# Altium PCB Backplane_Board.PcbDoc
Units mm, origin at the board's own origin, x right, y up, seen from the top; angles counter-clockwise.
Board outline 160 x 360 mm, 2 copper layers (Top Layer, Bottom Layer); 46 components, 98 nets, 572 pads, 224 vias.
Unrouted connection lines stored in the file: 261.
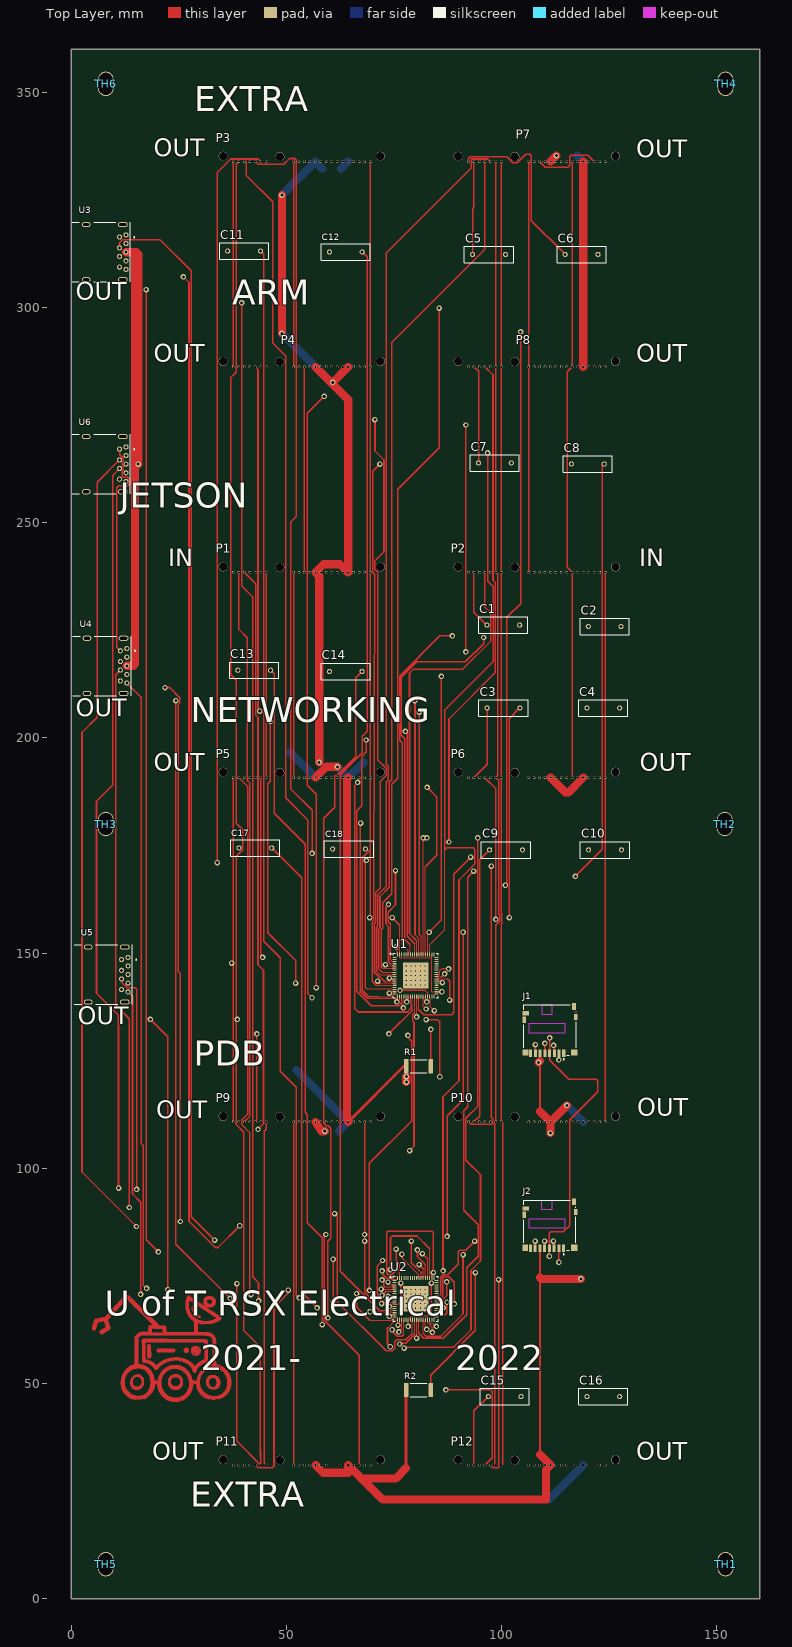
[diagram p0: Top Layer view]
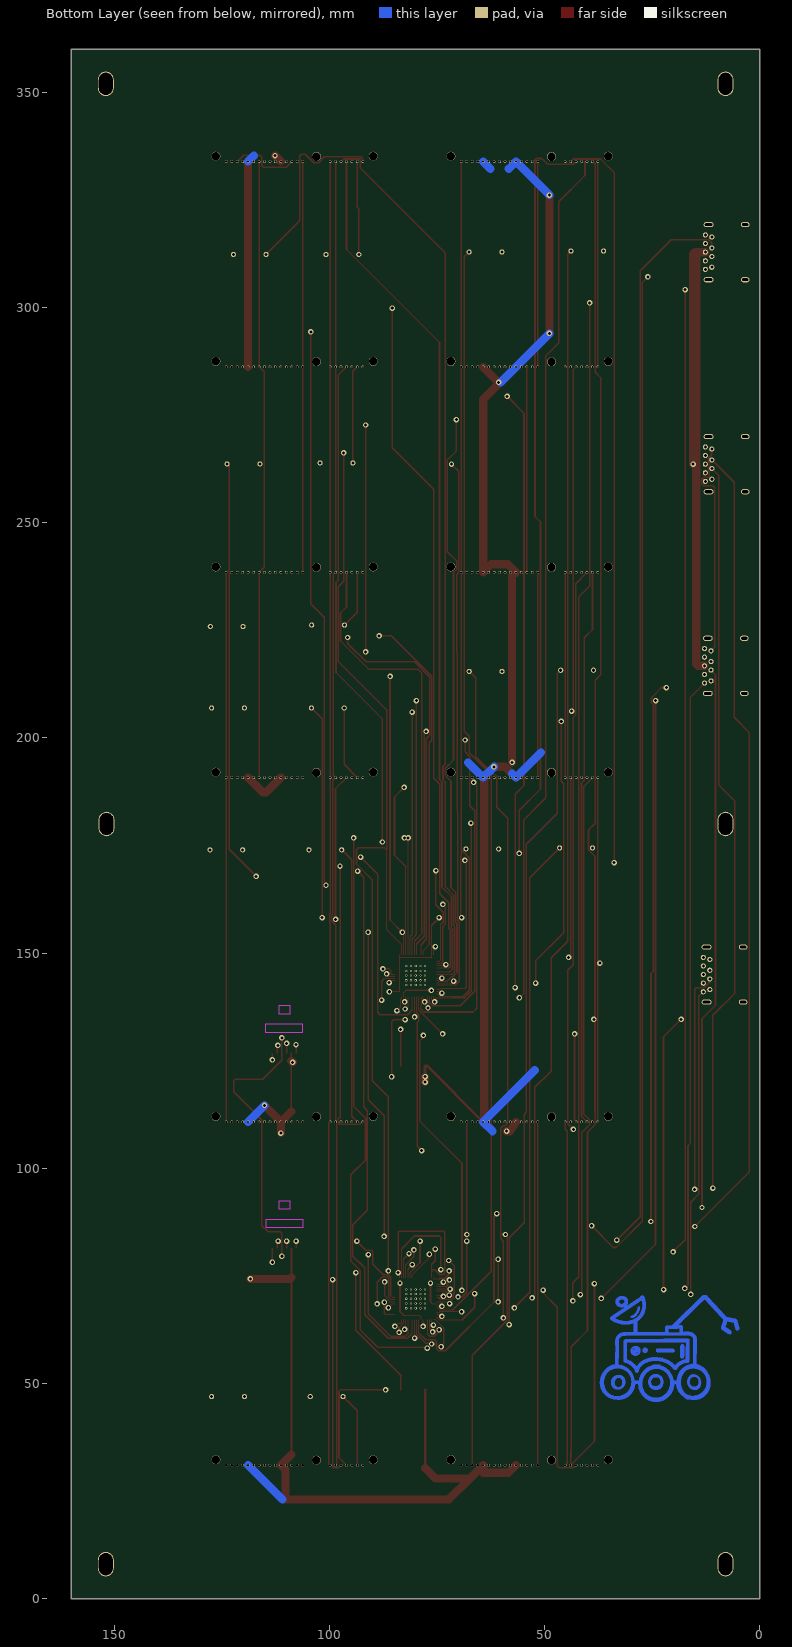
[diagram p1: Bottom Layer view, seen from below]
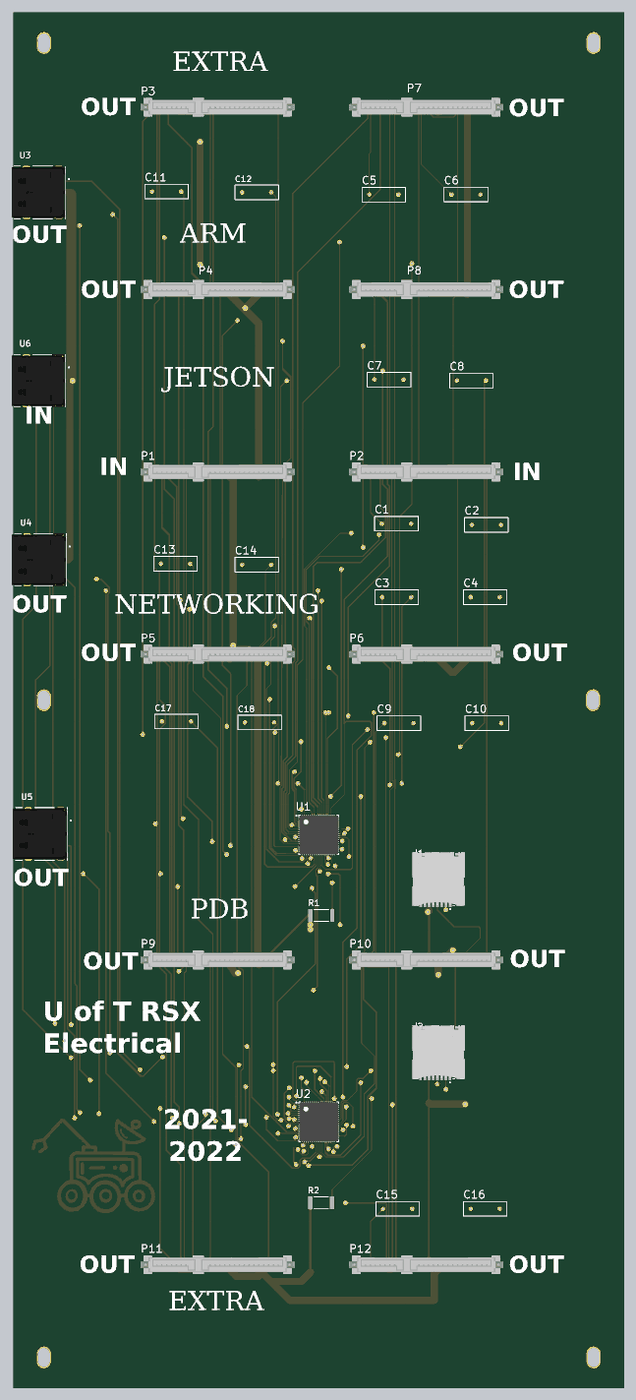
[diagram p2: 3D render of the assembled board from above, using the file's embedded part models]

## Layer stack, top to bottom
Top Solder: solder mask 0.0102, Solder Resist, Dk 3.5
Top Layer: signal copper 0.0356
Dielectric 1: dielectric 0.32, FR-4, Dk 4.8
Bottom Layer: signal copper 0.0356
Bottom Solder: solder mask 0.0102, Solder Resist, Dk 3.5

## Board outline
0,0 160,0 160,360 0,360

## Design rules (kind name [scope] priority, off if disabled: settings)
Clearance [All] p1: gap=0.12 ignorepadtopadclearanceinfootprint=FALSE
DiffPairsRouting [All] p1: maxlimit=0.254 minlimit=0.254 mostfreqgap=0.254 toplayer_minwidth=0.381 toplayer_maxwidth=0.381 toplayer_prefwidth=0.381 bottomlayer_minwidth=0.381 bottomlayer_maxwidth=0.381 bottomlayer_prefwidth=0.381 maxuncoupledlength=12.7
PolygonConnect [All] p1: connectstyle=Relief reliefconductorwidth=0.254 reliefentries=4 polygonreliefangle="90 Angle" airgapwidth=0.254
RoutingVias [All] p1: holewidth=0.711 width=1.27 viastyle="Through Hole" minholewidth=0.711 minwidth=1.27 maxholewidth=0.711 maxwidth=1.27
SMDNeckDown [All] p1: percent=60.000
SignalStimulus "Schematic Signal Stimulus_55" [InNet('MASTER_DN10_P')] p1: kind=1 level=1 starttime=0.000 stoptime=200.0p periodtime=400.0p
SignalStimulus "Schematic Signal Stimulus_54" [InNet('MASTER_SSTX_DN7_P')] p2: kind=1 level=1 starttime=0.000 stoptime=200.0p periodtime=400.0p
SignalStimulus "Schematic Signal Stimulus_53" [InNet('MASTER_SSTX_DN7_N')] p3: kind=1 level=1 starttime=0.000 stoptime=200.0p periodtime=400.0p
SignalStimulus "Schematic Signal Stimulus_52" [InNet('MASTER_DN11_P')] p4: kind=1 level=1 starttime=0.000 stoptime=200.0p periodtime=400.0p
SignalStimulus "Schematic Signal Stimulus_7" [InNet('MASTER_DN10_N')] p5: kind=1 level=1 starttime=0.000 stoptime=200.0p periodtime=400.0p
SignalStimulus "Schematic Signal Stimulus_5" [InNet('MASTER_DN11_N')] p6: kind=1 level=1 starttime=0.000 stoptime=200.0p periodtime=400.0p
SignalStimulus "Schematic Signal Stimulus_51" [InNet('MASTER_SSRX_DN3_P')] p7: kind=1 level=1 starttime=0.000 stoptime=200.0p periodtime=400.0p
SignalStimulus "Schematic Signal Stimulus_50" [InNet('MASTER_SSRX_DN4_P')] p8: kind=1 level=1 starttime=0.000 stoptime=200.0p periodtime=400.0p
SignalStimulus "Schematic Signal Stimulus_49" [InNet('MASTER_DN7_N')] p9: kind=1 level=1 starttime=0.000 stoptime=200.0p periodtime=400.0p
SignalStimulus "Schematic Signal Stimulus_48" [InNet('MASTER_DN9_N')] p10: kind=1 level=1 starttime=0.000 stoptime=200.0p periodtime=400.0p
SignalStimulus "Schematic Signal Stimulus_46" [InNet('MASTER_SSRX_DN2_N')] p11: kind=1 level=1 starttime=0.000 stoptime=200.0p periodtime=400.0p
SignalStimulus "Schematic Signal Stimulus_45" [InNet('MASTER_DN5_N')] p12: kind=1 level=1 starttime=0.000 stoptime=200.0p periodtime=400.0p
SignalStimulus "Schematic Signal Stimulus_44" [InNet('MASTER_DN2_N')] p13: kind=1 level=1 starttime=0.000 stoptime=200.0p periodtime=400.0p
SignalStimulus "Schematic Signal Stimulus_43" [InNet('MASTER_SSRX_DN1_P')] p14: kind=1 level=1 starttime=0.000 stoptime=200.0p periodtime=400.0p
SignalStimulus "Schematic Signal Stimulus_42" [InNet('MASTER_SSRX_DN5_P')] p15: kind=1 level=1 starttime=0.000 stoptime=200.0p periodtime=400.0p
SignalStimulus "Schematic Signal Stimulus_41" [InNet('MASTER_DN7_P')] p16: kind=1 level=1 starttime=0.000 stoptime=200.0p periodtime=400.0p
SignalStimulus "Schematic Signal Stimulus_40" [InNet('MASTER_SSRX_DN5_N')] p17: kind=1 level=1 starttime=0.000 stoptime=200.0p periodtime=400.0p
SignalStimulus "Schematic Signal Stimulus_39" [InNet('MASTER_DN4_N')] p18: kind=1 level=1 starttime=0.000 stoptime=200.0p periodtime=400.0p
SignalStimulus "Schematic Signal Stimulus_38" [InNet('MASTER_DN1_N')] p19: kind=1 level=1 starttime=0.000 stoptime=200.0p periodtime=400.0p
SignalStimulus "Schematic Signal Stimulus_37" [InNet('MASTER_DN3_P')] p20: kind=1 level=1 starttime=0.000 stoptime=200.0p periodtime=400.0p
SignalStimulus "Schematic Signal Stimulus_36" [InNet('MASTER_SSRX_DN3_N')] p21: kind=1 level=1 starttime=0.000 stoptime=200.0p periodtime=400.0p
SignalStimulus "Schematic Signal Stimulus_33" [InNet('MASTER_D1_P')] p22: kind=1 level=1 starttime=0.000 stoptime=200.0p periodtime=400.0p
SignalStimulus "Schematic Signal Stimulus_31" [InNet('MASTER_DN9_P')] p23: kind=1 level=1 starttime=0.000 stoptime=200.0p periodtime=400.0p
SignalStimulus "Schematic Signal Stimulus_30" [InNet('MASTER_SSRX_DN7_N')] p24: kind=1 level=1 starttime=0.000 stoptime=200.0p periodtime=400.0p
SignalStimulus "Schematic Signal Stimulus_28" [InNet('MASTER_SSRX_DN1_N')] p25: kind=1 level=1 starttime=0.000 stoptime=200.0p periodtime=400.0p
SignalStimulus "Schematic Signal Stimulus_27" [InNet('MASTER_DN4_P')] p26: kind=1 level=1 starttime=0.000 stoptime=200.0p periodtime=400.0p
SignalStimulus "Schematic Signal Stimulus_25" [InNet('MASTER_DN5_P')] p27: kind=1 level=1 starttime=0.000 stoptime=200.0p periodtime=400.0p
SignalStimulus "Schematic Signal Stimulus_24" [InNet('MASTER_SSRX_DN6_N')] p28: kind=1 level=1 starttime=0.000 stoptime=200.0p periodtime=400.0p
SignalStimulus "Schematic Signal Stimulus_23" [InNet('MASTER_D1_N')] p29: kind=1 level=1 starttime=0.000 stoptime=200.0p periodtime=400.0p
SignalStimulus "Schematic Signal Stimulus_22" [InNet('MASTER_DN2_P')] p30: kind=1 level=1 starttime=0.000 stoptime=200.0p periodtime=400.0p
SignalStimulus "Schematic Signal Stimulus_21" [InNet('MASTER_DN1_P')] p31: kind=1 level=1 starttime=0.000 stoptime=200.0p periodtime=400.0p
SignalStimulus "Schematic Signal Stimulus_20" [InNet('MASTER_DN6_N')] p32: kind=1 level=1 starttime=0.000 stoptime=200.0p periodtime=400.0p
SignalStimulus "Schematic Signal Stimulus_18" [InNet('MASTER_SSRX_DN4_N')] p33: kind=1 level=1 starttime=0.000 stoptime=200.0p periodtime=400.0p
SignalStimulus "Schematic Signal Stimulus_17" [InNet('MASTER_DN3_N')] p34: kind=1 level=1 starttime=0.000 stoptime=200.0p periodtime=400.0p
SignalStimulus "Schematic Signal Stimulus_16" [InNet('MASTER_SSRX_DN7_P')] p35: kind=1 level=1 starttime=0.000 stoptime=200.0p periodtime=400.0p
SignalStimulus "Schematic Signal Stimulus_15" [InNet('MASTER_SSRX_DN2_P')] p36: kind=1 level=1 starttime=0.000 stoptime=200.0p periodtime=400.0p
SignalStimulus "Schematic Signal Stimulus_13" [InNet('MASTER_SSRX_DN6_P')] p37: kind=1 level=1 starttime=0.000 stoptime=200.0p periodtime=400.0p
SignalStimulus "Schematic Signal Stimulus_12" [InNet('MASTER_DN6_P')] p38: kind=1 level=1 starttime=0.000 stoptime=200.0p periodtime=400.0p
SignalStimulus "Schematic Signal Stimulus_10" [InNet('MASTER_D3_N')] p39: kind=1 level=1 starttime=0.000 stoptime=2.083n periodtime=4.167n
SignalStimulus "Schematic Signal Stimulus_9" [InNet('MASTER_D3_P')] p40: kind=1 level=1 starttime=0.000 stoptime=2.083n periodtime=4.167n
SignalStimulus "Schematic Signal Stimulus_6" [InNet('MASTER_SSRX_N')] p41: kind=1 level=1 starttime=0.000 stoptime=200.0p periodtime=400.0p
SignalStimulus "Schematic Signal Stimulus_4" [InNet('MASTER_SSRX_P')] p42: kind=1 level=1 starttime=0.000 stoptime=200.0p periodtime=400.0p
SignalStimulus "Schematic Signal Stimulus_3" [InNet('MASTER_D0_N')] p43: kind=1 level=1 starttime=0.000 stoptime=2.083n periodtime=4.167n
SignalStimulus "Schematic Signal Stimulus_2" [InNet('MASTER_D1_P')] p44: kind=1 level=1 starttime=0.000 stoptime=2.083n periodtime=4.167n
SignalStimulus "Schematic Signal Stimulus_1" [InNet('MASTER_D0_P')] p45: kind=1 level=1 starttime=0.000 stoptime=2.083n periodtime=4.167n
SignalStimulus "Schematic Signal Stimulus" [InNet('MASTER_D1_N')] p46: kind=1 level=1 starttime=0.000 stoptime=2.083n periodtime=4.167n
SolderMaskExpansion [All] p1: expansion=0.102 istentingtop=FALSE
Width "Schematic Width Constraint" [InNet('GND')] p1: maxlimit=25.4 minlimit=1.27 preferedwidth=1.905 minimp=50.000000 maximp=50.000000 favimp=50.000000
Width [All] p2: maxlimit=0.3 minlimit=0.15 preferedwidth=0.3
29 further rules are at their usual default settings.

## Classes and differential pairs
component class USB_hub: R1 U1
component class USB_hub2: R2 U2
component class SD_Card: J1 J2
component class Outgoing_connectors_5_to_7: C11 C12 C13 C14 C15 C16 P11 P12 U3 U4
component class Outgoing_connectors_1_to_3: C3 C4 C5 C6 C7 C8 P3 P4 P5 P6 P7 P8
component class Outgoing_Connector_8: C17 C18 U5
component class Outgoing_Connector_4: C9 C10 P9 P10
component class Incoming_connectors2: U6
component class Main: TH1 TH2 TH3 TH4 TH5 TH6
component class Incoming_connectors: C1 C2 P1 P2
differential pair MASTER_DN8: +MASTER_DN8_P -MASTER_DN8_N
differential pair MASTER_SSTX_DN8: +MASTER_SSTX_DN8_P -MASTER_SSTX_DN8_N
differential pair MASTER_SSTX_DN7: +MASTER_SSTX_DN7_P -MASTER_SSTX_DN7_N
differential pair MASTER_SSTX_DN6: +MASTER_SSTX_DN6_P -MASTER_SSTX_DN6_N
differential pair MASTER_SSRX: +MASTER_SSRX_P -MASTER_SSRX_N
differential pair MASTER_SSRX_DN8: +MASTER_SSRX_DN8_P -MASTER_SSRX_DN8_N
differential pair MASTER_SSRX_DN7: +MASTER_SSRX_DN7_P -MASTER_SSRX_DN7_N
differential pair MASTER_SSRX_DN6: +MASTER_SSRX_DN6_P -MASTER_SSRX_DN6_N
differential pair MASTER_SSRX_DN5: +MASTER_SSRX_DN5_P -MASTER_SSRX_DN5_N
differential pair MASTER_SSRX_DN4: +MASTER_SSRX_DN4_P -MASTER_SSRX_DN4_N
differential pair MASTER_SSRX_DN3: +MASTER_SSRX_DN3_P -MASTER_SSRX_DN3_N
differential pair MASTER_SSRX_DN2: +MASTER_SSRX_DN2_P -MASTER_SSRX_DN2_N
differential pair MASTER_SSRX_DN1: +MASTER_SSRX_DN1_P -MASTER_SSRX_DN1_N
differential pair MASTER_DN11: +MASTER_DN11_P -MASTER_DN11_N
differential pair MASTER_DN10: +MASTER_DN10_P -MASTER_DN10_N
differential pair MASTER_DN9: +MASTER_DN9_P -MASTER_DN9_N
differential pair MASTER_DN7: +MASTER_DN7_P -MASTER_DN7_N
differential pair MASTER_DN6: +MASTER_DN6_P -MASTER_DN6_N
differential pair MASTER_DN5: +MASTER_DN5_P -MASTER_DN5_N
differential pair MASTER_DN4: +MASTER_DN4_P -MASTER_DN4_N
differential pair MASTER_DN3: +MASTER_DN3_P -MASTER_DN3_N
differential pair MASTER_DN2: +MASTER_DN2_P -MASTER_DN2_N
differential pair MASTER_DN1: +MASTER_DN1_P -MASTER_DN1_N
differential pair MASTER_D3: +MASTER_D3_P -MASTER_D3_N
differential pair MASTER_D1: +MASTER_D1_P -MASTER_D1_N
differential pair MASTER_D0: +MASTER_D0_P -MASTER_D0_N

## Components (designator, comment, footprint, x,y, rotation, side; value= is the part's Value field where it differs from the comment)
C1 "Cap" RAD-0.3 100.36,226.21 r0 top value=100pF
C2 "Cap" RAD-0.3 123.92,225.89 r0 top value=100pF
C3 "Cap" RAD-0.3 100.41,206.969 r0 top value=100pF
C4 "Cap" RAD-0.3 123.6,206.969 r0 top value=100pF
C5 "Cap" RAD-0.3 97.033,312.332 r0 top value=100pF
C6 "Cap" RAD-0.3 118.56,312.35 r0 top value=100pF
C7 "Cap" RAD-0.3 98.41,263.9 r0 top value=100pF
C8 "Cap" RAD-0.3 120.01,263.68 r0 top value=100pF
C9 "Cap" RAD-0.3 101,174 r0 top value=100pF
C10 "Cap" RAD-0.3 124,174 r0 top value=100pF
C11 "Cap" RAD-0.3 40.13,313.13 r180 top value=100pF
C12 "Cap" RAD-0.3 63.76,312.92 r180 top value=100pF
C13 "Cap" RAD-0.3 42.48,215.73 r0 top value=100pF
C14 "Cap" RAD-0.3 63.75,215.47 r0 top value=100pF
C15 "Cap" RAD-0.3 100.69,46.93 r0 top value=100pF
C16 "Cap" RAD-0.3 123.6,46.93 r0 top value=100pF
C17 "Cap" RAD-0.3 42.73,174.45 r0 top value=100pF
C18 "Cap" RAD-0.3 64.52,174.2 r0 top value=100pF
J1 "DM3D-SF" FP-DM3D-SF-MFG 111.21,132.12 r0 top
J2 "DM3D-SF" FP-DM3D-SF-MFG 111.18,86.78 r0 top
P1 "SATA 1" "Amphenol 10017660-001LF" 71.81,239.75 r180 top
P2 "SATA 2" "Amphenol 10017660-001LF" 126.43,239.75 r180 top
P3 "SATA 1" "Amphenol 10017660-001LF" 71.81,335.2 r180 top
P4 "SATA 1" "Amphenol 10017660-001LF" 71.81,287.5 r180 top
P5 "SATA 1" "Amphenol 10017660-001LF" 71.81,192.05 r180 top
P6 "SATA 2" "Amphenol 10017660-001LF" 126.43,192.049 r180 top
P7 "SATA 2" "Amphenol 10017660-001LF" 126.43,335.2 r180 top
P8 "SATA 2" "Amphenol 10017660-001LF" 126.43,287.5 r180 top
P9 "SATA 1" "Amphenol 10017660-001LF" 71.81,112.05 r180 top
P10 "SATA 2" "Amphenol 10017660-001LF" 126.43,112.05 r180 top
P11 "SATA 1" "Amphenol 10017660-001LF" 71.81,32.27 r180 top
P12 "SATA 2" "Amphenol 10017660-001LF" 126.43,32.27 r180 top
R1 "Res1" RESC6332 80.67,123.7 r180 top value=12.0K
R2 "Res1" RESC6332 80.63,48.46 r180 top value=12.0K
TH1 "M3_screw" m3_w_tol_1p9#1 152,8 r90 top locked
TH2 "M3_screw" m3_w_tol_1p9#2 152,180 r90 top locked
TH3 "M3_screw" m3_w_tol_1p9#1 8,180 r90 top locked
TH4 "M3_screw" m3_w_tol_1p9#1 152,352 r90 top locked
TH5 "M3_screw" m3_w_tol_1p9#1 8,8 r90 top locked
TH6 "M3_screw" m3_w_tol_1p9#1 8,352 r90 top locked
U1 "USB_hub_USB5537B" QFN50P1000X1000X100_HS-73N 80,144.775 r0 top
U2 "USB_hub_USB5537B" QFN50P1000X1000X100_HS-73N 80,69.665 r0 top
U3 "USB_3.0" MOLEX_USB_3.0_WM10421_ND 6.662,312.886 r270 top
U4 "USB_3.0" MOLEX_USB_3.0_WM10421_ND 6.842,216.756 r270 top
U5 "USB_3.0" MOLEX_USB_3.0_WM10421_ND 7.132,145.006 r270 top
U6 "USB_3.0" MOLEX_USB_3.0_WM10421_ND 6.662,263.616 r270 top

## Footprints (in the part's own frame and the unit in brackets; to place one, negate y for a bottom-side part, rotate by r counter-clockwise, add the part's x,y. Pads: shape width x height; smd on the part's side, far side on the other; paste and mask are expansions set on the pad)
"Amphenol 10017660-001LF" [mm] "FEMALE SATA TH 22POS"
  round 2.05 hole 1.95: 0(0,0) 0(23.365,0.1) 0(36.57,0)
  round 0.6 hole 0.5: 1(2.41,1.27) 2(3.68,1.27) 3(4.95,1.27) 4(6.22,1.27) 5(7.49,1.27) 6(8.76,1.27) 7(10.03,1.27) 8(11.3,1.27) 9(12.57,1.27) 10(13.84,1.27) 11(15.11,1.27) 12(16.38,1.27) 13(17.65,1.27) 14(18.92,1.27) 15(20.19,1.27) 16(26.54,1.27) 17(27.81,1.27) 18(29.08,1.27) 19(30.35,1.27) 20(31.62,1.27) 21(32.89,1.27) 22(34.16,1.27)
  body extent -1.93,-2.5 38.5,2.5, height 9.85
FP-DM3D-SF-MFG [mm]
  rect 0.7x1.75 smd paste+0 mask+0: 1(3.2,-5.35) 2(2.1,-5.35) 3(1,-5.35) 4(-0.1,-5.35) 5(-1.2,-5.35) 6(-2.3,-5.35) 7(-3.4,-5.35) 8(-4.5,-5.35)
  rect 1x1.55 smd paste+0 mask+0: 9(5.6,5.45)
  rect 1.45x1 smd paste+0 mask+0: 10(-5.625,3.875)
  rect 0.8x1.4 smd paste+0 mask+0: 11(6,3.025)
  rect 0.8x1.5 smd paste+0 mask+0: 12(-5.95,2.375)
  rect 1.3x1.5 smd paste+0 mask+0: 13(-5.7,-5.225)
  rect 1.5x1.5 smd paste+0 mask+0: 14(5.65,-5.225)
  Keep-Out Layer region: -1.95,3.725 0.55,3.725 0.55,5.725 -1.95,5.725
  Keep-Out Layer region: -4.9,-0.575 3.6,-0.575 3.6,1.425 -4.9,1.425
  silkscreen extent -6.07,-6.92 6.08,5.83, body extent -6.45,-6.32 6.5,6.32, height 0.25
m3_w_tol_1p9#1 [mm] "M3 with 1 axis 1.9mm tolerance"
  oval 5.7x3.7 hole 3.2 slot 5.1 at 0 deg: 0(0,0)
m3_w_tol_1p9#2 [mm] "M3 with 1 axis 1.9mm tolerance"
  oval 5.7x3.7 hole 3.2 slot 5.1 at 0 deg: 0(0,0.16)
MOLEX_USB_3.0_WM10421_ND [mm] "USB 3.0 Type A Receptacle Connector 9 Position Through Hole"
  round 1.2 hole 0.7 paste-1000 mask+0: 1(-3.5,4.525) 2(-1,4.525) 3(1,4.525) 4(3.5,4.525) 5(4,6.025) 6(2,6.025) 7(0,6.025) 8(-2,6.025) 9(-4,6.025)
  oval 1.2x2.3 hole 1.7 slot 0.6 at 0 deg paste-1000 mask+0: 10(-6.4,5.275) 11(6.4,5.275)
  oval 1.2x2 hole 1.4 slot 0.6 at 0 deg paste-1000 mask+0: 12(-6.4,-3.225) 13(6.4,-3.225)
  silkscreen extent -6.9,-6.5 6.9,8.05, body extent -7.1,-7.45 7.1,7.25, height 0.25
QFN50P1000X1000X100_HS-73N [mm] "QFN, 72-Leads, Body 10.00x10.00mm, Pitch 0.50mm, Thermal Pad 6.00x6.00mm, IPC Medium Density"
  oval 0.95x0.25 smd: 1(-4.875,4.25) 2(-4.875,3.75) 3(-4.875,3.25) 4(-4.875,2.75) 5(-4.875,2.25) 6(-4.875,1.75) 7(-4.875,1.25) 8(-4.875,0.75) 9(-4.875,0.25) 10(-4.875,-0.25) 11(-4.875,-0.75) 12(-4.875,-1.25) 13(-4.875,-1.75) 14(-4.875,-2.25) 15(-4.875,-2.75) 16(-4.875,-3.25) 17(-4.875,-3.75) 18(-4.875,-4.25) 37(4.875,-4.25) 38(4.875,-3.75) 39(4.875,-3.25) 40(4.875,-2.75) 41(4.875,-2.25) 42(4.875,-1.75) 43(4.875,-1.25) 44(4.875,-0.75) 45(4.875,-0.25) 46(4.875,0.25) 47(4.875,0.75) 48(4.875,1.25) 49(4.875,1.75) 50(4.875,2.25) 51(4.875,2.75) 52(4.875,3.25) 53(4.875,3.75) 54(4.875,4.25)
  oval 0.25x0.95 smd: 19(-4.25,-4.875) 20(-3.75,-4.875) 21(-3.25,-4.875) 22(-2.75,-4.875) 23(-2.25,-4.875) 24(-1.75,-4.875) 25(-1.25,-4.875) 26(-0.75,-4.875) 27(-0.25,-4.875) 28(0.25,-4.875) 29(0.75,-4.875) 30(1.25,-4.875) 31(1.75,-4.875) 32(2.25,-4.875) 33(2.75,-4.875) 34(3.25,-4.875) 35(3.75,-4.875) 36(4.25,-4.875) 55(4.25,4.875) 56(3.75,4.875) 57(3.25,4.875) 58(2.75,4.875) 59(2.25,4.875) 60(1.75,4.875) 61(1.25,4.875) 62(0.75,4.875) 63(0.25,4.875) 64(-0.25,4.875) 65(-0.75,4.875) 66(-1.25,4.875) 67(-1.75,4.875) 68(-2.25,4.875) 69(-2.75,4.875) 70(-3.25,4.875) 71(-3.75,4.875) 72(-4.25,4.875)
  rect 6x6 smd: 73(0,0)
  silkscreen extent -5.97,-5.2 5.2,5.2, body extent -5.05,-5.05 5.05,5.05, height 1
RAD-0.3 [mm] "Radial Cap, Thru-Hole; 2 Leads; 0.3 in Pin Spacing"
  round 1.2 hole 0.7: 1(-3.81,0) 2(3.81,0)
  silkscreen extent -5.71,-1.9 5.72,1.91
RESC6332 [mm] "Chip Resistor, Body 6.3x3.2mm, IPC High Density"
  rect 1.1x3.3 smd: 1(-2.85,0) 2(2.85,0)
  silkscreen extent -1.9,-1.55 1.9,1.55, body extent -3.22,-1.68 3.22,1.68, height 0.9

## Part data
C1 C2 C3 C4 C5 C6 C7 C8 C9 C10 C11 C12 C13 C14 C15 C16 C17 C18: "Capacitor", LatestRevisionDate=17-Jul-2002, LatestRevisionNote="Re-released for DXP Platform.", PackageDescription="Radial Cap, Thru-Hole; 2 Leads; 0.3 in Pin Spacing", PackageReference=RAD-0.3, Published=8-Jun-2000, Publisher="Altium Limited"
J1 J2: library part CMP-2000-06166-2, "CONN MICRO SD CARD PUSH-PULL", Contact Resistance=100mR, Current Rating=500mA, Flammability Rating="UL94 V-0", Insulation Resistance=1GR, Max Operating Temperature=85°C, Max Voltage Rating (AC)=125V, Min Operating Temperature=-25°C, Package Quantity=1, Connector Type=Connector, Contact Material="Copper Alloy", Contact Plating=Gold, Depth=11.45mm, Gender=Female, Housing Material=Polymer, Lead Free="Lead Free", Length=11.95mm, Max Current Rating=500mA, Mount="Surface Mount", Number of Contacts=8, Number of Rows=1, Orientation="Right Angle", Packaging="Tape and Reel", Pitch=1.1mm, Radiation Hardening=No, REACH SVHC="No SVHC", Termination=Solder, Voltage Rating (AC)=125V, Width=11.95mm
P1 P3 P4 P5 P9 P11: "SATA connector.  / Connector 1 for option 1 as per Spec", Supplier 1=Digi-Key
P2 P6 P7 P8 P10 P12: "SATA connector.  / Connector 2 for option 1 as per Spec", Supplier 1=Digi-Key
R1 R2: "Resistor", LatestRevisionDate=17-Jul-2002, LatestRevisionNote="Re-released for DXP Platform.", PackageDescription="Axial Device, Thru-Hole; 2 Leads; 0.3 in Pin Spacing", PackageReference=AXIAL-0.3, Published=8-Jun-2000, Publisher="Altium Limited"
U1 U2: "https://media.digikey.com/pdf/Data%20Sheets/Microchip%20PDFs/USB5537B.pdf"
U3 U4 U5 U6: library part Molex_USB_3.0_WM10421_ND, "USB 3.0 Type A Receptacle Connector 9 Position Through Hole", Manufacturer=Molex, Manufacturer Profuct #=0484080003, ComponentLink1Description=Datasheet, ComponentLink1URL=media.digikey.com/pdf/Data%20Sheets/Molex%20PDFs/48408-001_Pkg%20Spec.pdf, ComponentLink2Description=Datasheet_Model, ComponentLink2URL=molex.com/pdm_docs/sd/484080003_sd.pdf, Price (CAD)=1.98

## Via types
v1: diameter 1.27, hole 0.711, Top Layer to Bottom Layer, 174 vias
v2: diameter 0.5, hole 0.2, Top Layer to Bottom Layer, 50 vias
